# Altium PCB RFSOC_SAWG.PcbDoc (part 1 of 15) (continued)
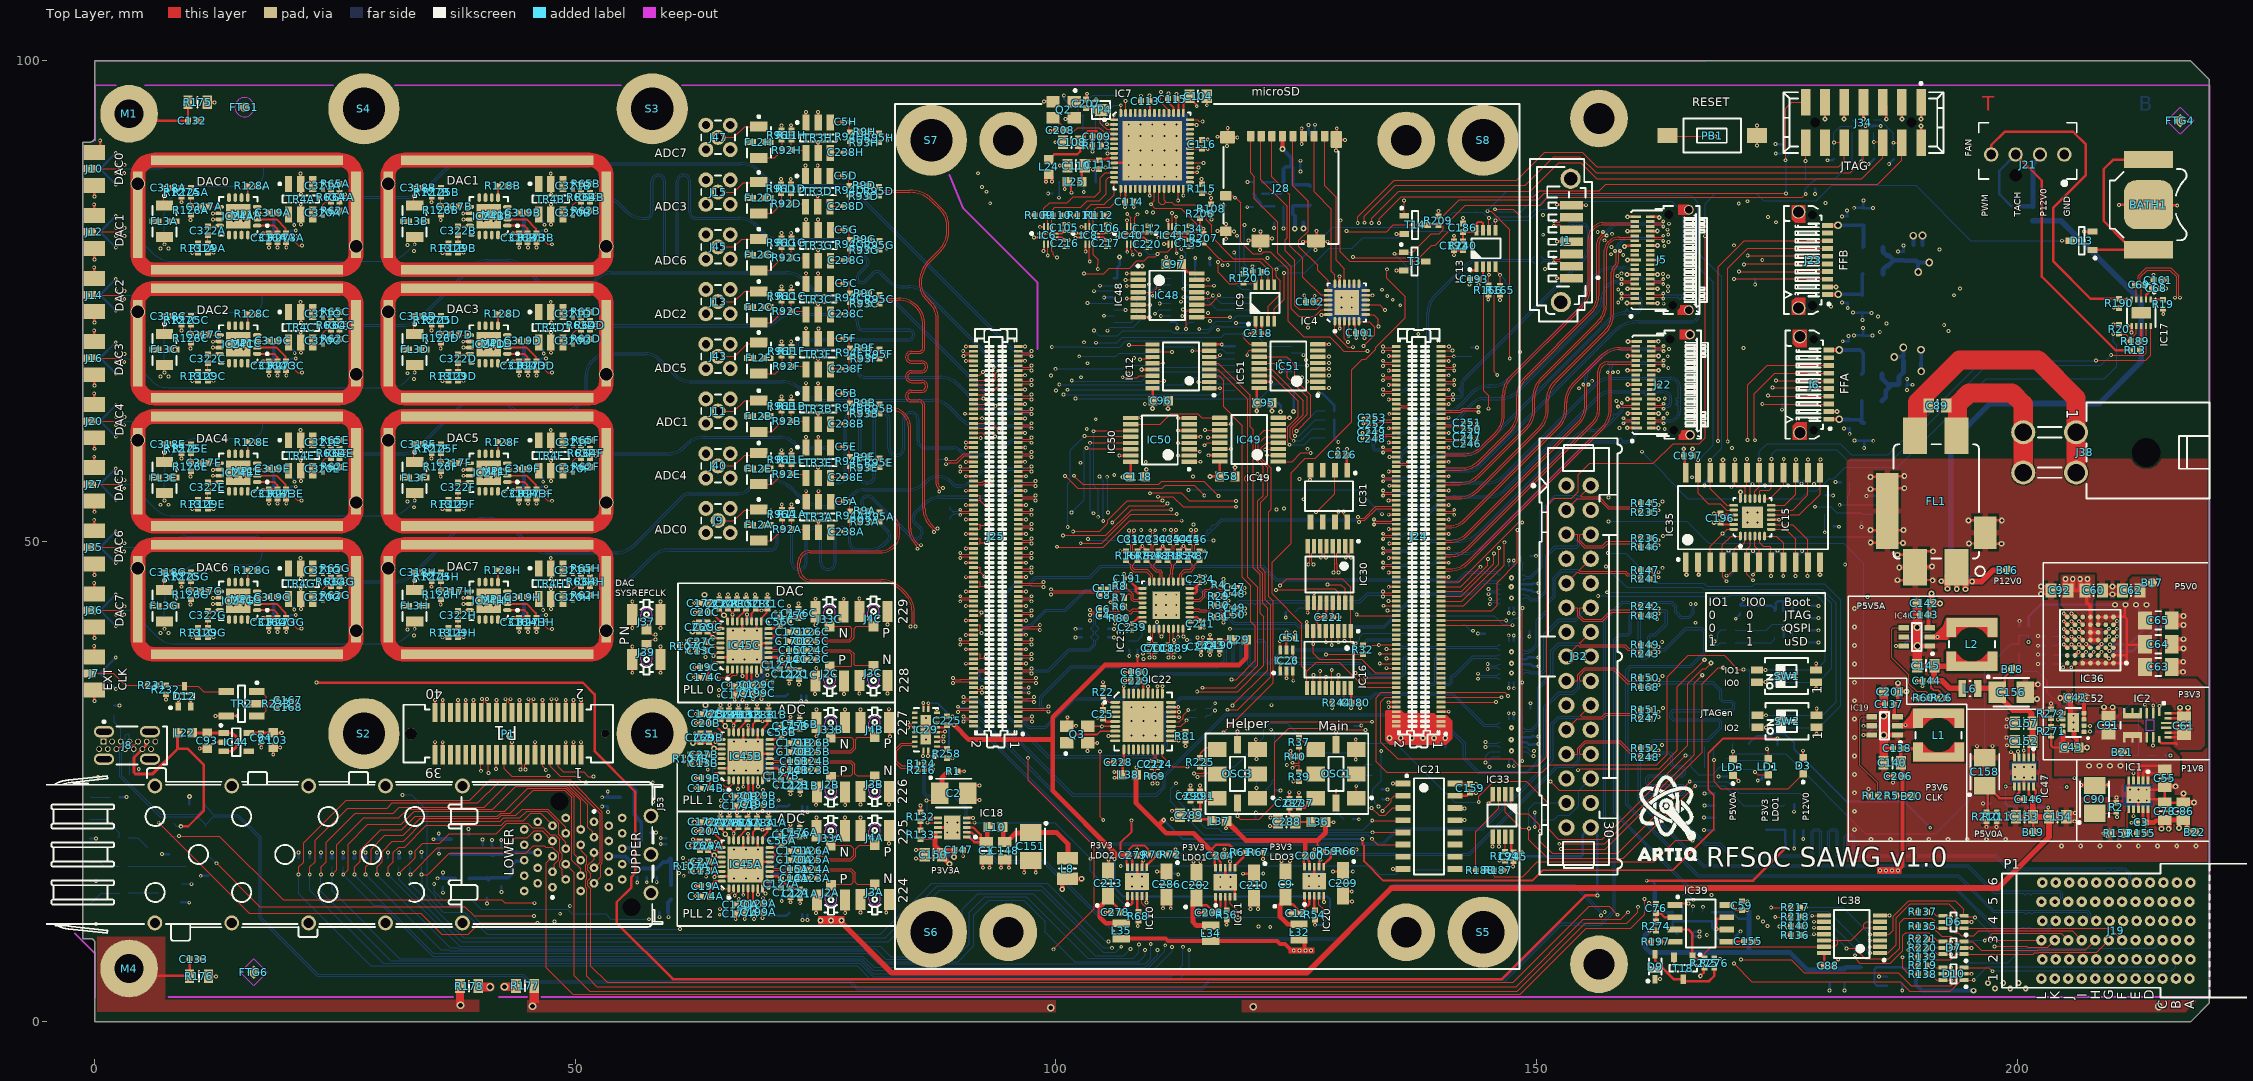
[diagram p0: Top Layer view]
## Design rules (kind name [scope] priority, off if disabled: settings) (continued)
RoutingLayers RoutingLayers_PWR [InNetClass('PWR')] p1: top layer_v5=TRUE mid layer 2_v5=TRUE mid layer 3_v5=TRUE mid layer 4_v5=TRUE mid layer 5_v5=TRUE bottom layer_v5=TRUE
RoutingLayers [All] p2: top layer_v5=TRUE mid layer 2_v5=TRUE mid layer 3_v5=FALSE mid layer 4_v5=FALSE mid layer 5_v5=TRUE bottom layer_v5=TRUE
RoutingVias [All] p1: holewidth=0.2 width=0.5 viastyle="Through Hole" minholewidth=0.15 minwidth=0.4 maxholewidth=0.711 maxwidth=1.27
SilkToSilkClearance [All] p1: silktosilkclearance=0.1
SolderMaskExpansion SolderMaskExpansion_Thermal [(isVia AND InNet('GND') and  HasFootprint('FIL_MINI-CIRCUITS_FV1206'))  or (isvia AND InNet('GND') AND (PadXSize_AllLayers = 0.55))] p1: expansion=0 istentingtop=FALSE
SolderMaskExpansion SolderMaskExpansion_via [IsVia  or IsBGA] p2: expansion=0 istentingtop=TRUE
SolderMaskExpansion [All] p3: expansion=0.015 istentingtop=FALSE
ViasUnderSMD ViasUnderSMD_Allow [(InNet('GND') and (HasFootprint('QFN*') or HasFootprint('FIL_MINI-CIRCUITS_FV1206') or HasFootprint('3670230') or HasFootprint('SON50P300X300X80-11N-R175X248') or HasFootprint('TEXAS_RKS0020A')or HasFootprint('TPS82085SILR') ) )  Or HasFootprint('9774050360') Or HasFootprint('9774100360')] p1: allowed=TRUE
ViasUnderSMD [All] p2: allowed=FALSE
Width Width_PWR [InNetClass('PWR')] p1: maxlimit=2 minlimit=0.2 preferedwidth=0.254
Width Width_SE50 [InNetClass('50 Ohms Trace')      or InNetClass('50_Ohms')] p2: maxlimit=0.14 minlimit=0.1 preferedwidth=0.14 toplayer_maxwidth=0.1 toplayer_prefwidth=0.1 midlayer2_minwidth=0.113 midlayer2_maxwidth=0.113 midlayer2_prefwidth=0.113 midlayer3_minwidth=0.14 midlayer4_minwidth=0.14 midlayer5_minwidth=0.113 midlayer5_maxwidth=0.113 midlayer5_prefwidth=0.113 bottomlayer_maxwidth=0.1 bottomlayer_prefwidth=0.1 impedanceprofiledriven=TRUE impedanceprofileid={F8AF8EEF-587B-4246-B7B2-4F5CC25CB936} impedanceprofilevalue=50.000000 minimp=50.000000 maximp=50.000000 favimp=50.000000
Width [All] p3: maxlimit=1 minlimit=0.08 preferedwidth=0.127
21 further rules are at their usual default settings.

## Classes and differential pairs
net class HW_REV[0..3]: HW_REV0 HW_REV1 HW_REV2 HW_REV3
net class MGT: B128_RX0_N B128_RX0_P B128_RX1_N B128_RX1_P B128_RX2_N B128_RX2_P B128_RX3_N B128_RX3_P B128_TX0_N B128_TX0_P B128_TX1_N B128_TX1_P B128_TX2_N B128_TX2_P B128_TX3_N B128_TX3_P B129_RX0_N B129_RX0_P B129_RX1_N B129_RX1_P B129_RX2_N B129_RX2_P B129_RX3_N B129_RX3_P B129_TX0_N B129_TX0_P B129_TX1_N B129_TX1_P B129_TX2_N B129_TX2_P B129_TX3_N B129_TX3_P B505_RX0_N B505_RX0_P B505_RX1_N B505_RX1_P B505_RX2_N B505_RX2_P B505_RX3_N B505_RX3_P B505_TX0_N B505_TX0_P B505_TX1_N B505_TX1_P B505_TX2_N B505_TX2_P B505_TX3_N B505_TX3_P SFP0_RD_N SFP0_RD_P SFP0_TD_N SFP0_TD_P SFP1_RD_N SFP1_RD_P SFP1_TD_N SFP1_TD_P
net class ESD_STRIP: STRIP1 STRIP2 STRIP3
differential pair class Diff_90Ohm: USB_D_R
component class U_AWG_mechanics: C132 C133 FTG1 FTG2 FTG3 FTG4 FTG5 FTG6 M1 M4 MH1 MH2 MH3 MH4 R175 R176 R177 R178 S1 S2 S3 S4 S5 S6 S7 S8
component class FPGA_JTAG: R58
component class Artix: T21 T22
component class U_SPI_Extender: C58 C77 C85 C95 C96 C97 C117 C118 IC12 IC32 IC34 IC43 IC48 IC49 IC50 IC51
net class RFSW_CTRL[7..0]: RFSW_CTRL0 RFSW_CTRL1 RFSW_CTRL2 RFSW_CTRL3 RFSW_CTRL4 RFSW_CTRL5 RFSW_CTRL6 RFSW_CTRL7
net class Diff_100Ohm: SATA_RX_N SATA_RX_P SATA_TX_N SATA_TX_P
component class U_RF_PLL_channel2: B14C C13C C14C C15C C16C C17C C18C C19C C20C C21C C22C C23C C24C C26C C27C C28C C29C C30C C56C C120C C121C C122C C123C C124C C125C C126C C127C C128C C129C C130C C131C C139C C170C C171C C172C C173C C174C C175C C176C C177C C199C IC45C J2C J3C J4C J33C L20C L26C L27C L28C R14C R15C R17C R18C R107C R214C
net class BP_IO.LVDS_P[0..7]: BP_IO.LVDS_P0 BP_IO.LVDS_P1 BP_IO.LVDS_P2 BP_IO.LVDS_P3 BP_IO.LVDS_P4 BP_IO.LVDS_P5 BP_IO.LVDS_P6 BP_IO.LVDS_P7
net class BP_IO.LVDS_N[0..7]: BP_IO.LVDS_N0 BP_IO.LVDS_N1 BP_IO.LVDS_N2 BP_IO.LVDS_N3 BP_IO.LVDS_N4 BP_IO.LVDS_N5 BP_IO.LVDS_N6 BP_IO.LVDS_N7
net class SHARED_BUS_[0..4]: SHARED_BUS_0 SHARED_BUS_1 SHARED_BUS_2 SHARED_BUS_3 SHARED_BUS_4
net class PE_CLK: PE_CLK.CLK_N PE_CLK.CLK_P
net class LVDS_DUAL_P[0..4]: LVDS_DUAL_P0 LVDS_DUAL_P1 LVDS_DUAL_P2 LVDS_DUAL_P3 LVDS_DUAL_P4
net class LVDS_DUAL_N[0..4]: LVDS_DUAL_N0 LVDS_DUAL_N1 LVDS_DUAL_N2 LVDS_DUAL_N3 LVDS_DUAL_N4
net class GA[0..3]: GA0 GA1 GA2 GA3
net class EEM_IO: EEM_IO.LVDS_N0 EEM_IO.LVDS_N1 EEM_IO.LVDS_N2 EEM_IO.LVDS_N3 EEM_IO.LVDS_N4 EEM_IO.LVDS_N5 EEM_IO.LVDS_N6 EEM_IO.LVDS_N7 EEM_IO.LVDS_P0 EEM_IO.LVDS_P1 EEM_IO.LVDS_P2 EEM_IO.LVDS_P3 EEM_IO.LVDS_P4 EEM_IO.LVDS_P5 EEM_IO.LVDS_P6 EEM_IO.LVDS_P7
net class EEM_IO.LVDS_P[0..7]: EEM_IO.LVDS_P0 EEM_IO.LVDS_P1 EEM_IO.LVDS_P2 EEM_IO.LVDS_P3 EEM_IO.LVDS_P4 EEM_IO.LVDS_P5 EEM_IO.LVDS_P6 EEM_IO.LVDS_P7
net class EEM_IO.LVDS_N[0..7]: EEM_IO.LVDS_N0 EEM_IO.LVDS_N1 EEM_IO.LVDS_N2 EEM_IO.LVDS_N3 EEM_IO.LVDS_N4 EEM_IO.LVDS_N5 EEM_IO.LVDS_N6 EEM_IO.LVDS_N7
net class EEM0_I2C: EEM0_I2C.SCL EEM0_I2C.SDA
net class BP_IO: BP_IO.LVDS_N0 BP_IO.LVDS_N1 BP_IO.LVDS_N2 BP_IO.LVDS_N3 BP_IO.LVDS_N4 BP_IO.LVDS_N5 BP_IO.LVDS_N6 BP_IO.LVDS_N7 BP_IO.LVDS_P0 BP_IO.LVDS_P1 BP_IO.LVDS_P2 BP_IO.LVDS_P3 BP_IO.LVDS_P4 BP_IO.LVDS_P5 BP_IO.LVDS_P6 BP_IO.LVDS_P7
component class U_SD: C39 C98 C99 C100 C101 C102 IC4 J28 Q1 R199 R200 R201 R202 R224
component class U_RF_PLL_channel1: B14B C13B C14B C15B C16B C17B C18B C19B C20B C21B C22B C23B C24B C26B C27B C28B C29B C30B C56B C120B C121B C122B C123B C124B C125B C126B C127B C128B C129B C130B C131B C139B C170B C171B C172B C173B C174B C175B C176B C177B C199B IC45B J2B J3B J4B J33B L20B L26B L27B L28B R14B R15B R17B R18B R107B R214B
component class U_RF_PLL_channel0: B14A C13A C14A C15A C16A C17A C18A C19A C20A C21A C22A C23A C24A C26A C27A C28A C29A C30A C56A C120A C121A C122A C123A C124A C125A C126A C127A C128A C129A C130A C131A C139A C170A C171A C172A C173A C174A C175A C176A C177A C199A IC45A J2A J3A J4A J33A L20A L26A L27A L28A R14A R15A R17A R18A R107A R214A
component class U_PWR_5V: B16 B17 B18 B19 B20 B21 B22 C60 C62 C63 C64 C65 C66 C67 C68 C69 C87 C89 C92 C141 C142 C143 C144 C145 C146 C152 C153 C154 C156 C157 C158 C161 C245 D3 FL1 IC17 IC33 IC36 IC46 IC47 J21 J38 L2 L3 L6 LD3 LD4 NT1 R13 R19 R20 R26 R28 R60 R121 R179 R181 R182 R183 R184 R185 R186 R187 R188 R189 R190 R194 R210 R211 R212 R213 T23
component class U_PWR_3V3: C1 C2 C36 C37 C40 C42 C43 C61 C91 C147 C148 C149 C150 C151 IC2 IC14 IC18 IC52 L8 L10 R1 R123 R132 R133 R268 R269 R270 R271 R272 R278
component class U_PWR_1V8: C3 C55 C78 C86 C90 IC1 R2 R153 R155
component class U_I2C_MUX: C186 C192 C193 C196 C197 C198 IC5 IC13 IC15 IC35 IC53 R33 R42 R43 R44 R45 R46 R49 R51 R52 R53 R55 R57 R101 R102 R103 R104 R165 R166 R167 R169 R170 R171 R172 R174 R230 R240 T21 T22 TP13 TP14
component class U_AWG_USB_Serial_Quad: C93 C94 C103 C104 C105 C106 C107 C108 C109 C110 C111 C112 C113 C114 C115 C116 C134 C135 C207 C208 C216 C217 C218 C220 D4 IC6 IC7 IC8 IC9 IC37 IC40 IC41 IC44 J8 L22 L24 L25 Q2 R99 R100 R108 R109 R110 R111 R112 R113 R114 R115 R116 R119 R120 R203 R204 R205 R206 R207 R209 T3 T14 TP4 TP5 TP6 TP16 TP17 TP18 TP19
component class U_FireFly_AB: C70 C71 C72 C73 C74 C75 C79 C80 C81 C82 C83 C84 J5 J6 J22 J23 L4 L5 L7 L12 R23 R191
component class U_DAC_Output_CH7: C314H C315H C316H C317H C318H C319H C320H C321H C322H FL3H IC24H L54H MP1H R62H R63H R64H R65H R125H R126H R127H R128H R129H R131H R273H TR4H
component class U_DAC_Output_CH6: C314G C315G C316G C317G C318G C319G C320G C321G C322G FL3G IC24G L54G MP1G R62G R63G R64G R65G R125G R126G R127G R128G R129G R131G R273G TR4G
component class U_DAC_Output_CH5: C314F C315F C316F C317F C318F C319F C320F C321F C322F FL3F IC24F L54F MP1F R62F R63F R64F R65F R125F R126F R127F R128F R129F R131F R273F TR4F
component class U_DAC_Output_CH4: C314E C315E C316E C317E C318E C319E C320E C321E C322E FL3E IC24E L54E MP1E R62E R63E R64E R65E R125E R126E R127E R128E R129E R131E R273E TR4E
component class U_DAC_Output_CH3: C314D C315D C316D C317D C318D C319D C320D C321D C322D FL3D IC24D L54D MP1D R62D R63D R64D R65D R125D R126D R127D R128D R129D R131D R273D TR4D
component class U_DAC_Output_CH2: C314C C315C C316C C317C C318C C319C C320C C321C C322C FL3C IC24C L54C MP1C R62C R63C R64C R65C R125C R126C R127C R128C R129C R131C R273C TR4C
component class U_DAC_Output_CH1: C314B C315B C316B C317B C318B C319B C320B C321B C322B FL3B IC24B L54B MP1B R62B R63B R64B R65B R125B R126B R127B R128B R129B R131B R273B TR4B
component class U_DAC_Output_CH0: C314A C315A C316A C317A C318A C319A C320A C321A C322A FL3A IC24A L54A MP1A R62A R63A R64A R65A R125A R126A R127A R128A R129A R131A R273A TR4A
component class U_CLK_MUX: C167 C168 C225 D12 IC29 R231 R232 R233 R258 TR2
component class U_B2B_2: B1 B2 B3 B4 B5 B6 B7 B8 B9 B10 B11 B12 B13 B15 C159 IC21 J25
component class U_B2B_1: BATH1 C38 C52 C54 C57 D13 J1 J24 PB1 R32 R117 R118 R122 R164 R198 R208 SW1 SW2 TP1 TP2 TP3 TP15
component class U_AWG_SFPs: C178 C179 C181 C182 C183 C184 C185 C246 C247 C248 C249 C250 C251 C252 C253 C258 C259 C260 C261 C262 C263 C264 C265 C323 J53 L30 L31 L55 L56 LD2 LD15 Plate1 R130 R134 R284 R285 R286 R287 R288 R289 R290 R291 R292 R293 R294 R295 T11 T16
component class U_AWG_EEM_Connectors_JTAG: C51 C53 C119 C180 C219 C221 C222 C223 C224 C226 D8 D11 IC3 IC16 IC25 IC26 IC27 IC28 IC30 IC31 IC42 J32 J34 R58 R143 R145 R146 R147 R148 R149 R150 R151 R152 R168 R235 R236 R241 R242 R243 R244 R247 R248 R255 R256 R259 R263 R264 R265 R266 T13
component class U_AWG_CPCIS_Connectors_P1_P6: C41 C59 C76 C88 C155 D6 D7 D9 D10 IC38 IC39 J19 R124 R135 R136 R137 R138 R139 R140 R197 R216 R217 R218 R219 R220 R221 R226 R274 R275 R276 R277 R279 R280 R281 R282 R283 T18
component class U_AWG_ClockRecovery: C4 C6 C7 C8 C9 C10 C11 C12 C25 C31 C32 C33 C34 C35 C44 C45 C46 C47 C48 C49 C50 C136 C137 C138 C140 C160 C187 C188 C189 C190 C191 C200 C201 C202 C203 C204 C206 C209 C210 C212 C213 C214 C215 C228 C229 C234 C237 C239 C241 C242 C243 C278 C279 C286 C287 C288 C289 C290 C291 IC10 IC11 IC19 IC20 IC22 IC23 L1 L29 L32 L34 L35 L36 L37 L38 LD1 OSC1 OSC3 Q3 R4 R5 R6 R7 R8 R10 R12 R16 R21 R22 R24 R25 R27 R29 R30 R31 R34 R35 R36 R37 R38 R39 R40 R41 R47 R48 R50 R54 R56 R59 R61 R66 R67 R68 R69 R70 R71 R72 R73 R74 R75 R76 R77 R78 R79 R80 R81 R82 R83 R84 R85 R86 R87 R88 R89 R90 R91 R97 R98 R225 T2 TP23 TP24 TP25 TP26 TP27 TP28 TP29 TP30
component class U_ADC_Input_CH7: C5H C238H FL2H R9H R11H R92H R93H R94H R95H R96H TR3H
component class U_ADC_Input_CH6: C5G C238G FL2G R9G R11G R92G R93G R94G R95G R96G TR3G
component class U_ADC_Input_CH5: C5F C238F FL2F R9F R11F R92F R93F R94F R95F R96F TR3F
component class U_ADC_Input_CH4: C5E C238E FL2E R9E R11E R92E R93E R94E R95E R96E TR3E
component class U_ADC_Input_CH3: C5D C238D FL2D R9D R11D R92D R93D R94D R95D R96D TR3D
component class U_ADC_Input_CH2: C5C C238C FL2C R9C R11C R92C R93C R94C R95C R96C TR3C
component class U_ADC_Input_CH1: C5B C238B FL2B R9B R11B R92B R93B R94B R95B R96B TR3B
component class U_ADC_Input_CH0: C5A C238A FL2A R9A R11A R92A R93A R94A R95A R96A TR3A
component class SATA: C38 C52 C54 C57 C246 C247 C248 C249 C250 C251 C252 C253 J1
component class RFSOC_SAWG: J7 J9 J10 J11 J12 J13 J14 J15 J16 J20 J27 J35 J36 J37 J39 J40 J43 J45 J47 JM1 LD5 LOGO1 MISC1 P1 R3 R105 R106 R141 R142 R144 R154 R215 Serial1 T5
differential pair class MGT: B129_RX2 B129_TX2 BP_MGT.Rx BP_MGT.Tx BP_MGT_Rx BP_MGT_Tx
differential pair class LVPECL: B128_CLK1 B129_CLK1 BUF_OUT0 BUF_OUT1 BUF_OUT2 BUF_OUT3 BUF_OUT4 BUF_OUT5 BUF_OUT6 BUF_OUT7 CK_FPGAIO CK_GTP CKI_FPGAIO CKI_GTP CKOUT_1 CKOUT_D_1 EXT_CLK_IN1 RFPLL_REFin0 RFPLL_REFin1 RFPLL_REFin2
differential pair class Diff_100Ohm: B129_RX0 B129_RX1 B129_TX0 B129_TX1 BP_IO.LVDS0 BP_IO.LVDS1 BP_IO.LVDS2 BP_IO.LVDS3 BP_IO.LVDS4 BP_IO.LVDS5 BP_IO.LVDS6 BP_IO.LVDS7 CKIN0 CLK1 CLK3 CLKREC EEM_IO.LVDS0 EEM_IO.LVDS1 EEM_IO.LVDS2 EEM_IO.LVDS3 EEM_IO.LVDS4 EEM_IO.LVDS5 EEM_IO.LVDS6 EEM_IO.LVDS7 EEM_IO.LVDS8 EEM_IO.LVDS9 EEM_IO.LVDS10 EEM_IO.LVDS11 EEM_IO.LVDS12 EEM_IO.LVDS13 EEM_IO.LVDS14 EEM_IO.LVDS15 Helper_DCXO LVDS_DUAL0 LVDS_DUAL1 LVDS_DUAL2 LVDS_DUAL3 LVDS_DUAL4 LVDS_JTAG_TCK LVDS_JTAG_TDI LVDS_JTAG_TDO LVDS_JTAG_TMS LVDS_JTAG_TRSTn Main_DCXO Main_DCXO_C PE_CLK PE_CLK.CLK SFP0_RD SFP0_TD SFP1_RD SFP1_TD
differential pair class "100 Ohms Trace diff": ADC0 ADC0B ADC0C ADC0D ADC0E ADC0F ADC0G ADC0H ADC_CLK_224 ADC_CLK_225 ADC_CLK_226 ADC_CLK_227 CLKIN2 CLKOUT0A CLKOUT0B CLKOUT0C CLKOUT1 CLKOUT1B DAC0 DAC0B DAC0C DAC0D DAC0E DAC0F DAC0G DAC0H DAC_CLK_228 DAC_CLK_229 EXT_CLK0
channel class RF_PLL_channel: U_RF_PLL_channel0 U_RF_PLL_channel1 U_RF_PLL_channel2
channel class DAC_Output_CH: U_DAC_Output_CH0 U_DAC_Output_CH1 U_DAC_Output_CH2 U_DAC_Output_CH3 U_DAC_Output_CH4 U_DAC_Output_CH5 U_DAC_Output_CH6 U_DAC_Output_CH7
channel class ADC_Input_CH: U_ADC_Input_CH0 U_ADC_Input_CH1 U_ADC_Input_CH2 U_ADC_Input_CH3 U_ADC_Input_CH4 U_ADC_Input_CH5 U_ADC_Input_CH6 U_ADC_Input_CH7
net class SD: SD-CCLK_LS SD-CMD_LS SD-D0_LS SD-D1_LS SD-D2_LS SD-D3_LS
net class "SD Card": SD-CCLK_LS SD-CMD_LS SD-D0_LS SD-D1_LS SD-D2_LS SD-D3_LS SD_CLK SD_CMD SD_DAT0 SD_DAT1 SD_DAT2 SD_DAT3
net class PWR: GND NetC25_2 NetC89_1 NetC89_2 NetC93_2 NetC144_2 P1V8 P1V8_USB P3V3 P3V3_ADCLK P3V3_LDO1 P3V3_LDO2 P3V3_LDO3 P3V3_SD P3V3_USB P3V3A P3V6_CLK P5V0 P5V0A P12V0 STRIP1
net class HS: B128_RX0_N B128_RX0_P B128_RX1_N B128_RX1_P B128_RX2_N B128_RX2_P B128_RX3_N B128_RX3_P B128_TX0_N B128_TX0_P B128_TX1_N B128_TX1_P B128_TX2_N B128_TX2_P B128_TX3_N B128_TX3_P B505_RX0_N B505_RX0_P B505_RX1_N B505_RX1_P B505_RX2_N B505_RX2_P B505_RX3_N B505_RX3_P B505_TX0_N B505_TX0_P B505_TX1_N B505_TX1_P B505_TX2_N B505_TX2_P B505_TX3_N B505_TX3_P
net class FF: B128_RX0_N B128_RX0_P B128_RX1_N B128_RX1_P B128_RX2_N B128_RX2_P B128_RX3_N B128_RX3_P B128_TX0_N B128_TX0_P B128_TX1_N B128_TX1_P B128_TX2_N B128_TX2_P B128_TX3_N B128_TX3_P B505_RX0_N B505_RX0_P B505_RX1_N B505_RX1_P B505_RX2_N B505_RX2_P B505_RX3_N B505_RX3_P B505_TX0_N B505_TX0_P B505_TX1_N B505_TX1_P B505_TX2_N B505_TX2_P B505_TX3_N B505_TX3_P
net class DAC: DAC0_N DAC0_P DAC0B_N DAC0B_P DAC0C_N DAC0C_P DAC0D_N DAC0D_P DAC0E_N DAC0E_P DAC0F_N DAC0F_P DAC0G_N DAC0G_P DAC0H_N DAC0H_P DAC_B0A_N DAC_B0A_P DAC_B0B_N DAC_B0B_P DAC_B0C_N DAC_B0C_P DAC_B0D_N DAC_B0D_P DAC_B0E_N DAC_B0E_P DAC_B0F_N DAC_B0F_P DAC_B0G_N DAC_B0G_P DAC_B0H_N DAC_B0H_P DAC_C0A_N DAC_C0A_P DAC_C0B_N DAC_C0B_P DAC_C0C_N DAC_C0C_P DAC_C0D_N DAC_C0D_P DAC_C0E_N DAC_C0E_P DAC_C0F_N DAC_C0F_P DAC_C0G_N DAC_C0G_P DAC_C0H_N DAC_C0H_P DAC_S0A DAC_S0B DAC_S0C DAC_S0D DAC_S0E DAC_S0F DAC_S0G DAC_S0H
net class DAC_GR1: DAC0_N DAC0_P DAC0B_N DAC0B_P DAC0C_N DAC0C_P DAC0D_N DAC0D_P DAC0E_N DAC0E_P DAC0F_N DAC0F_P DAC0G_N DAC0G_P DAC0H_N DAC0H_P
net class D100: ADC0_N ADC0_P ADC0B_N ADC0B_P ADC0C_N ADC0C_P ADC0D_N ADC0D_P ADC0E_N ADC0E_P ADC0F_N ADC0F_P ADC0G_N ADC0G_P ADC0H_N ADC0H_P ADC_CLK_224_N ADC_CLK_224_P ADC_CLK_225_N ADC_CLK_225_P ADC_CLK_226_N ADC_CLK_226_P ADC_CLK_227_N ADC_CLK_227_P DAC0_N DAC0_P DAC0B_N DAC0B_P DAC0C_N DAC0C_P DAC0D_N DAC0D_P DAC0E_N DAC0E_P DAC0F_N DAC0F_P DAC0G_N DAC0G_P DAC0H_N DAC0H_P DAC_CLK_228_N DAC_CLK_228_P DAC_CLK_229_N DAC_CLK_229_P
net class ADC: ADC0_N ADC0_P ADC0B_N ADC0B_P ADC0C_N ADC0C_P ADC0D_N ADC0D_P ADC0E_N ADC0E_P ADC0F_N ADC0F_P ADC0G_N ADC0G_P ADC0H_N ADC0H_P ADC_B0A_N ADC_B0A_P ADC_B0B_N ADC_B0B_P ADC_B0C_N ADC_B0C_P ADC_B0D_N ADC_B0D_P ADC_B0E_N ADC_B0E_P ADC_B0F_N ADC_B0F_P ADC_B0G_N ADC_B0G_P ADC_B0H_N ADC_B0H_P ADC_C0A_P ADC_C0B_P ADC_C0C_P ADC_C0D_P ADC_C0E_P ADC_C0F_P ADC_C0G_P ADC_C0H_P ADC_S0A ADC_S0B ADC_S0C ADC_S0D ADC_S0E ADC_S0F ADC_S0G ADC_S0H NetFL2A_3 NetFL2B_3 NetFL2C_3 NetFL2D_3 NetFL2E_3 NetFL2F_3 NetFL2G_3 NetFL2H_3
net class ADC_GR1: ADC0_N ADC0_P ADC0B_N ADC0B_P ADC0C_N ADC0C_P ADC0D_N ADC0D_P ADC0E_N ADC0E_P ADC0F_N ADC0F_P ADC0G_N ADC0G_P ADC0H_N ADC0H_P
net class "50 Ohms Trace": ADC0_INA ADC0_INB ADC0_INC ADC0_IND ADC0_INE ADC0_INF ADC0_ING ADC0_INH ADC_S0A ADC_S0B ADC_S0C ADC_S0D ADC_S0E ADC_S0F ADC_S0G ADC_S0H DAC_OUT0 DAC_OUT1 DAC_OUT2 DAC_OUT3 DAC_OUT4 DAC_OUT5 DAC_OUT6 DAC_OUT7 DAC_S0A DAC_S0B DAC_S0C DAC_S0D DAC_S0E DAC_S0F DAC_S0G DAC_S0H EXT_CLK5 NetC317A_2 NetC317B_2 NetC317C_2 NetC317D_2 NetC317E_2 NetC317F_2 NetC317G_2 NetC317H_2 NetC318A_1 NetC318B_1 NetC318C_1 NetC318D_1 NetC318E_1 NetC318F_1 NetC318G_1 NetC318H_1 NetJ7_1
net class 50_Ohms: DAC_S0A DAC_S0B DAC_S0C DAC_S0D DAC_S0E DAC_S0F DAC_S0G DAC_S0H NetC317A_1 NetC317B_1 NetC317C_1 NetC317D_1 NetC317E_1 NetC317F_1 NetC317G_1 NetC317H_1 NetC319A_2 NetC319B_2 NetC319C_2 NetC319D_2 NetC319E_2 NetC319F_2 NetC319G_2 NetC319H_2 NetC322A_1 NetC322A_2 NetC322B_1 NetC322B_2 NetC322C_1 NetC322C_2 NetC322D_1 NetC322D_2 NetC322E_1 NetC322E_2 NetC322F_1 NetC322F_2 NetC322G_1 NetC322G_2 NetC322H_1 NetC322H_2 VCO_OUTBA_P VCO_OUTBB_P VCO_OUTBC_P
component class Overlapping: J19
differential pair DAC_SYSREFCLK: +DAC_SYSREFCLK_P -DAC_SYSREFCLK_N
differential pair CLK3: +CLK3_P -CLK3_N
differential pair REF_INC: +REF_INC_P -REF_INC_N
differential pair REF_INB: +REF_INB_P -REF_INB_N
differential pair REF_INA: +REF_INA_P -REF_INA_N
differential pair CLK2: +CLK2_P -CLK2_N
differential pair CLK1: +CLK1_P -CLK1_N
differential pair RFPLLCLKBC: +RFPLLCLKBC_P -RFPLLCLKBC_N
differential pair RFPLLCLKBB: +RFPLLCLKBB_P -RFPLLCLKBB_N
differential pair RFPLLCLKBA: +RFPLLCLKBA_P -RFPLLCLKBA_N
differential pair RFPLLCLKAC: +RFPLLCLKAC_P -RFPLLCLKAC_N
differential pair RFPLLCLKAB: +RFPLLCLKAB_P -RFPLLCLKAB_N
differential pair RFPLLCLKAA: +RFPLLCLKAA_P -RFPLLCLKAA_N
differential pair EXT_CLK_5: +EXT_CLK_5_P -EXT_CLK_5_N
differential pair EXT_CLK5: +EXT_CLK5_P -EXT_CLK5_N
differential pair B129_TX2: +B129_TX2_P -B129_TX2_N
differential pair B129_TX1: +B129_TX1_P -B129_TX1_N
differential pair B129_TX0: +B129_TX0_P -B129_TX0_N
differential pair B129_RX2: +B129_RX2_P -B129_RX2_N
differential pair B129_RX1: +B129_RX1_P -B129_RX1_N
differential pair B129_RX0: +B129_RX0_P -B129_RX0_N
differential pair VCO_OUTBC: +VCO_OUTBC_P -VCO_OUTBC_N
differential pair VCO_OUTBB: +VCO_OUTBB_P -VCO_OUTBB_N
differential pair VCO_OUTBA: +VCO_OUTBA_P -VCO_OUTBA_N
differential pair B505_TX3: +B505_TX3_P -B505_TX3_N
differential pair B505_TX2: +B505_TX2_P -B505_TX2_N
differential pair B505_TX1: +B505_TX1_P -B505_TX1_N
differential pair B505_TX0: +B505_TX0_P -B505_TX0_N
differential pair B505_RX3: +B505_RX3_P -B505_RX3_N
differential pair B505_RX2: +B505_RX2_P -B505_RX2_N
differential pair B505_RX1: +B505_RX1_P -B505_RX1_N
differential pair B505_RX0: +B505_RX0_P -B505_RX0_N
differential pair USB_D_R: +USB_D_R_P -USB_D_R_N
differential pair VCO_OUTAC: +VCO_OUTAC_P -VCO_OUTAC_N
differential pair SATA_TX: +SATA_TX_P -SATA_TX_N
differential pair SATA_RX: +SATA_RX_P -SATA_RX_N
differential pair RFPLL_REFin2: +RFPLL_REFin2_P -RFPLL_REFin2_N
differential pair RFPLL_REFin1: +RFPLL_REFin1_P -RFPLL_REFin1_N
differential pair RFPLL_REFin0: +RFPLL_REFin0_P -RFPLL_REFin0_N
differential pair EXT_CLK_IN1: +EXT_CLK_IN1_P -EXT_CLK_IN1_N
differential pair BUF_OUT7: +BUF_OUT7_P -BUF_OUT7_N
differential pair BUF_OUT6: +BUF_OUT6_P -BUF_OUT6_N
differential pair BUF_OUT5: +BUF_OUT5_P -BUF_OUT5_N
differential pair BUF_OUT4: +BUF_OUT4_P -BUF_OUT4_N
differential pair BUF_OUT3: +BUF_OUT3_P -BUF_OUT3_N
differential pair BUF_OUT2: +BUF_OUT2_P -BUF_OUT2_N
differential pair BUF_OUT1: +BUF_OUT1_P -BUF_OUT1_N
differential pair BUF_OUT0: +BUF_OUT0_P -BUF_OUT0
differential pair DAC_CLK_228: +DAC_CLK_228_P -DAC_CLK_228_N
differential pair VCO_OUTAB: +VCO_OUTAB_P -VCO_OUTAB_N
differential pair VCO_OUTAA: +VCO_OUTAA_P -VCO_OUTAA_N
differential pair USB0_D: +USB0_D_P -USB0_D_N
differential pair SFP1_TD: +SFP1_TD_P -SFP1_TD_N
differential pair SFP1_RD: +SFP1_RD_P -SFP1_RD_N
differential pair SFP0_TD: +SFP0_TD_P -SFP0_TD_N
differential pair SFP0_RD: +SFP0_RD_P -SFP0_RD_N
differential pair PHY_MDI3: +PHY_MDI3_P -PHY_MDI3_N
differential pair PHY_MDI2: +PHY_MDI2_P -PHY_MDI2_N
differential pair PHY_MDI1: +PHY_MDI1_P -PHY_MDI1_N
differential pair PHY_MDI0: +PHY_MDI0_P -PHY_MDI0_N
differential pair PE_CLK: +PE_CLK_P -PE_CLK_N
differential pair PE_CLK.CLK: +PE_CLK.CLK_P -PE_CLK.CLK_N
differential pair Main_DCXO: +Main_DCXO_P -Main_DCXO_N
differential pair Main_DCXO_C: +Main_DCXO_C_P -Main_DCXO_C_N
differential pair LVDS_JTAG_TRSTn: +LVDS_JTAG_TRSTn_P -LVDS_JTAG_TRSTn_N
differential pair LVDS_JTAG_TMS: +LVDS_JTAG_TMS_P -LVDS_JTAG_TMS_N
differential pair LVDS_JTAG_TDO: +LVDS_JTAG_TDO_P -LVDS_JTAG_TDO_N
differential pair LVDS_JTAG_TDI: +LVDS_JTAG_TDI_P -LVDS_JTAG_TDI_N
differential pair LVDS_JTAG_TCK: +LVDS_JTAG_TCK_P -LVDS_JTAG_TCK_N
differential pair LVDS_DUAL4: +LVDS_DUAL_P4 -LVDS_DUAL_N4
differential pair LVDS_DUAL3: +LVDS_DUAL_P3 -LVDS_DUAL_N3
differential pair LVDS_DUAL2: +LVDS_DUAL_P2 -LVDS_DUAL_N2
differential pair LVDS_DUAL1: +LVDS_DUAL_P1 -LVDS_DUAL_N1
differential pair LVDS_DUAL0: +LVDS_DUAL_P0 -LVDS_DUAL_N0
differential pair EEM_IO.LVDS7: +EEM_IO.LVDS_P7 -EEM_IO.LVDS_N7
differential pair EEM_IO.LVDS6: +EEM_IO.LVDS_P6 -EEM_IO.LVDS_N6
differential pair EEM_IO.LVDS5: +EEM_IO.LVDS_P5 -EEM_IO.LVDS_N5
differential pair EEM_IO.LVDS4: +EEM_IO.LVDS_P4 -EEM_IO.LVDS_N4
differential pair EEM_IO.LVDS3: +EEM_IO.LVDS_P3 -EEM_IO.LVDS_N3
differential pair EEM_IO.LVDS2: +EEM_IO.LVDS_P2 -EEM_IO.LVDS_N2
differential pair EEM_IO.LVDS1: +EEM_IO.LVDS_P1 -EEM_IO.LVDS_N1
differential pair EEM_IO.LVDS0: +EEM_IO.LVDS_P0 -EEM_IO.LVDS_N0
differential pair DX: +DX_P -DX_N
differential pair DAC_CLK_229: +DAC_CLK_229_P -DAC_CLK_229_N
differential pair DAC0: +DAC0_P -DAC0_N
differential pair DAC0H: +DAC0H_P -DAC0H_N
differential pair DAC0G: +DAC0G_P -DAC0G_N
differential pair DAC0F: +DAC0F_P -DAC0F_N
differential pair DAC0E: +DAC0E_P -DAC0E_N
differential pair DAC0D: +DAC0D_P -DAC0D_N
differential pair DAC0C: +DAC0C_P -DAC0C_N
differential pair DAC0B: +DAC0B_P -DAC0B_N
differential pair CLKF: +CLKF_P -CLKF_N
differential pair CLKE: +CLKE_P -CLKE_N
differential pair CLKD: +CLKD_P -CLKD_N
differential pair CLK0A_100MHz: +CLK0A_100MHz_P -CLK0A_100MHz_N
differential pair CKOUT_D_1: +CKOUT_D_1_P -CKOUT_D_1_N
differential pair CKOUT_1: +CKOUT_1_P -CKOUT_1_N
differential pair CKIN0: +CKIN0_P -CKIN0_N
differential pair CK_GTP: +CK_GTP_P -CK_GTP_N
differential pair CK_FPGAIO: +CK_FPGAIO_P -CK_FPGAIO_N
differential pair BP_IO.LVDS7: +BP_IO.LVDS_P7 -BP_IO.LVDS_N7
differential pair BP_IO.LVDS6: +BP_IO.LVDS_P6 -BP_IO.LVDS_N6
differential pair BP_IO.LVDS5: +BP_IO.LVDS_P5 -BP_IO.LVDS_N5
differential pair BP_IO.LVDS4: +BP_IO.LVDS_P4 -BP_IO.LVDS_N4
differential pair BP_IO.LVDS3: +BP_IO.LVDS_P3 -BP_IO.LVDS_N3
differential pair BP_IO.LVDS2: +BP_IO.LVDS_P2 -BP_IO.LVDS_N2
differential pair BP_IO.LVDS1: +BP_IO.LVDS_P1 -BP_IO.LVDS_N1
differential pair BP_IO.LVDS0: +BP_IO.LVDS_P0 -BP_IO.LVDS_N0
differential pair B129_TX3: +B129_TX3_P -B129_TX3_N
differential pair B129_RX3: +B129_RX3_P -B129_RX3_N
differential pair B129_CLK1: +B129_CLK1_P -B129_CLK1_N
differential pair B128_TX3: +B128_TX3_P -B128_TX3_N
differential pair B128_TX2: +B128_TX2_P -B128_TX2_N
differential pair B128_TX1: +B128_TX1_P -B128_TX1_N
differential pair B128_TX0: +B128_TX0_P -B128_TX0_N
differential pair B128_RX3: +B128_RX3_P -B128_RX3_N
differential pair B128_RX2: +B128_RX2_P -B128_RX2_N
differential pair B128_RX1: +B128_RX1_P -B128_RX1_N
differential pair B128_RX0: +B128_RX0_P -B128_RX0_N
differential pair B128_CLK1: +B128_CLK1_P -B128_CLK1_N
differential pair ADC_CLK_227: +ADC_CLK_227_P -ADC_CLK_227_N
differential pair ADC_CLK_226: +ADC_CLK_226_P -ADC_CLK_226_N
differential pair ADC_CLK_225: +ADC_CLK_225_P -ADC_CLK_225_N
differential pair ADC_CLK_224: +ADC_CLK_224_P -ADC_CLK_224_N
differential pair ADC0: +ADC0_P -ADC0_N
differential pair ADC0H: +ADC0H_P -ADC0H_N
differential pair ADC0G: +ADC0G_P -ADC0G_N
differential pair ADC0F: +ADC0F_P -ADC0F_N
differential pair ADC0E: +ADC0E_P -ADC0E_N
differential pair ADC0D: +ADC0D_P -ADC0D_N
differential pair ADC0C: +ADC0C_P -ADC0C_N
differential pair ADC0B: +ADC0B_P -ADC0B_N

## Components (designator, comment, footprint, x,y, rotation, side; value= is the part's Value field where it differs from the comment)
B1 "SMD Pad" C100 93.45,38.025 r90 bottom
B2 "SMD Pad" C100 93.45,40.254 r90 bottom
B3 "SMD Pad" C100 93.45,42.482 r90 bottom
B4 "SMD Pad" C100 93.45,44.711 r90 bottom
B5 "SMD Pad" C100 93.45,46.939 r90 bottom
B6 "SMD Pad" C100 93.45,49.168 r90 bottom
B7 "SMD Pad" C100 89.025,52.275 r90 bottom
B8 "SMD Pad" C100 89.025,53.6 r90 bottom
B9 "SMD Pad" C100 93.45,53.625 r90 bottom
B10 "SMD Pad" C100 94.225,56.125 r0 bottom
B11 "SMD Pad" C100 92.475,56.2 r180 bottom
B12 "SMD Pad" C100 89.456,58.411 r90 bottom
B13 "SMD Pad" C100 87.65,58.411 r90 bottom
B14A "SMD Pad" C100 64.263,14.381 r90 bottom (schematic designator B14)
B14B "SMD Pad" C100 64.302,25.485 r90 bottom (schematic designator B14)
B14C "SMD Pad" C100 64.134,37.155 r90 bottom (schematic designator B14)
B15 "SMD Pad" C100 93.45,51.396 r90 bottom
B16 "SMD Pad" C100 199,47 r180 top
B17 "SMD Pad" C100 214.05,45.7 r180 top
B18 "SMD Pad" C100 199.525,36.7 r180 top
B19 "SMD Pad" C100 201.675,19.75 r180 top
B20 "SMD Pad" C100 189.025,23.5 r180 top
B21 "SMD Pad" C100 210.925,28.05 r180 top
B22 "SMD Pad" C100 218.475,19.75 r180 top
BATH1 "Value" BATH_KEYSTONE_2998 213.675,85.025 r270 top
C1 "22uF" CAPC2012X135N 92.75,17.8 r270 top
C2 "22uF" CAPMP3528X210N 89.375,23.8 r0 top
C3 "100nF" CAPC1005X55N 212.925,20.75 r0 top
C4 "100nF" CAPC0603X33N 104.948,42.255 r180 top
C5A "100nF" CAPC0603X33N 78.191,54.185 r0 top (schematic designator C5)
C5B "100nF" CAPC0603X33N 78.165,65.423 r0 top (schematic designator C5)
C5C "100nF" CAPC0603X33N 78.165,76.853 r0 top (schematic designator C5)
C5D "100nF" CAPC0603X33N 78.116,88.059 r0 top (schematic designator C5)
C5E "100nF" CAPC0603X33N 78.165,59.835 r0 top (schematic designator C5)
C5F "100nF" CAPC0603X33N 78.165,71.138 r0 top (schematic designator C5)
C5G "100nF" CAPC0603X33N 78.165,82.441 r0 top (schematic designator C5)
C5H "100nF" CAPC0603X33N 78.154,93.636 r0 top (schematic designator C5)
C6 "100nF" CAPC0603X33N 104.948,42.955 r180 top
C7 "100nF" CAPC0603X33N 109.625,38.9 r90 top
C8 "100nF" CAPC0603X33N 104.954,44.41 r180 top
C9 "22uF" CAPMP3216X180N 123.9,14.3 r90 top
C10 "100nF" CAPC0603X33N 110.35,38.9 r90 top
C11 "100nF" CAPC0603X33N 104.954,45.11 r180 top
C12 "4.7uF" CAPC1005X55N 125,11.3 r0 top
C13A "1nF" CAPC1005X55N 63.45,15.744 r0 top (schematic designator C13)
C13B "1nF" CAPC1005X55N 63.357,26.894 r0 top (schematic designator C13)
C13C "1nF" CAPC1005X55N 63.122,38.618 r0 top (schematic designator C13)
C14A "1nF" CAPC1005X55N 72.8,14.944 r0 top (schematic designator C14)
C14B "1nF" CAPC1005X55N 72.8,26.185 r0 top (schematic designator C14)
C14C "1nF" CAPC1005X55N 72.672,37.718 r0 top (schematic designator C14)
C15A "1nF" CAPC1005X55N 72.8,15.869 r0 top (schematic designator C15)
C15B "1nF" CAPC1005X55N 72.8,27.11 r0 top (schematic designator C15)
C15C "1nF" CAPC1005X55N 72.672,38.643 r0 top (schematic designator C15)
C16A "560pF" CAPC1005X55N 70.337,16.214 r180 bottom (schematic designator C16)
C16B "560pF" CAPC1005X55N 70.337,27.429 r180 bottom (schematic designator C16)
C16C "560pF" CAPC1005X55N 70.207,39.016 r180 bottom (schematic designator C16)
C17A "7.5nF" CAPC1608X87N 72.109,15.417 r90 bottom (schematic designator C17)
C17B "7.5nF" CAPC1608X87N 72.147,26.563 r90 bottom (schematic designator C17)
C17C "7.5nF" CAPC1608X87N 72.045,38.137 r90 bottom (schematic designator C17)
C18A "240pF" CAPC1005X55N 70.95,18.869 r270 bottom (schematic designator C18)
C18B "240pF" CAPC1005X55N 70.95,30.11 r270 bottom (schematic designator C18)
C18C "240pF" CAPC1005X55N 70.822,41.643 r270 bottom (schematic designator C18)
C19A "100nF" CAPC1005X55N 63.55,14.119 r0 top (schematic designator C19)
C19B "100nF" CAPC1005X55N 63.55,25.36 r0 top (schematic designator C19)
C19C "100nF" CAPC1005X55N 63.422,36.893 r0 top (schematic designator C19)
C20A "100nF" CAPC1005X55N 63.575,19.844 r0 top (schematic designator C20)
C20B "100nF" CAPC1005X55N 63.575,31.085 r0 top (schematic designator C20)
C20C "100nF" CAPC1005X55N 63.447,42.618 r0 top (schematic designator C20)
C21A "10pF" CAPC1005X55N 65.1,20.709 r270 top (schematic designator C21)
C21B "10pF" CAPC1005X55N 65.1,31.95 r270 top (schematic designator C21)
C21C "10pF" CAPC1005X55N 64.972,43.483 r270 top (schematic designator C21)
C22A "10nF" CAPC1005X55N 66.017,20.701 r270 bottom (schematic designator C22)
C22B "10nF" CAPC1005X55N 66.017,31.942 r270 bottom (schematic designator C22)
C22C "10nF" CAPC1005X55N 65.889,43.475 r270 bottom (schematic designator C22)
C23A "10pF" CAPC1005X55N 66.963,20.71 r270 top (schematic designator C23)
C23B "10pF" CAPC1005X55N 66.963,31.951 r270 top (schematic designator C23)
C23C "10pF" CAPC1005X55N 66.835,43.484 r270 top (schematic designator C23)
C24A "1nF" CAPC1005X55N 66,20.709 r270 top (schematic designator C24)
C24B "1nF" CAPC1005X55N 66,31.95 r270 top (schematic designator C24)
C24C "1nF" CAPC1005X55N 65.872,43.483 r270 top (schematic designator C24)
C25 "100nF" CAPC1005X55N 104.9,32 r270 top
C26A "100nF" CAPC1005X55N 62.95,18.309 r270 top (schematic designator C26)
C26B "100nF" CAPC1005X55N 63,29.55 r270 top (schematic designator C26)
C26C "100nF" CAPC1005X55N 62.872,41.083 r270 top (schematic designator C26)
C27A "1nF" CAPC1005X55N 63.45,16.669 r0 top (schematic designator C27)
C27B "1nF" CAPC1005X55N 63.357,27.819 r0 top (schematic designator C27)
C27C "1nF" CAPC1005X55N 63.122,39.543 r0 top (schematic designator C27)
C28A "1uF" CAPC1005X55N 63.65,16.225 r90 bottom (schematic designator C28)
C28B "1uF" CAPC1005X55N 63.775,27.35 r90 bottom (schematic designator C28)
C28C "1uF" CAPC1005X55N 63.525,39.05 r90 bottom (schematic designator C28)
C29A "10pF" CAPC1005X55N 63.825,18.309 r270 top (schematic designator C29)
C29B "10pF" CAPC1005X55N 63.9,29.55 r270 top (schematic designator C29)
C29C "10pF" CAPC1005X55N 63.772,41.083 r270 top (schematic designator C29)
C30A "1uF" CAPC1005X55N 70.1,20.709 r270 bottom (schematic designator C30)
C30B "1uF" CAPC1005X55N 70.1,31.95 r270 bottom (schematic designator C30)
C30C "1uF" CAPC1005X55N 69.972,43.483 r270 bottom (schematic designator C30)
C31 "100nF" CAPC0603X33N 107.525,50.2 r90 top
C32 "100nF" CAPC0603X33N 108.2,50.2 r90 top
C33 "100nF" CAPC0603X33N 109.725,50.2 r90 top
C34 "100nF" CAPC0603X33N 110.425,50.2 r90 top
C35 "100nF" CAPC0603X33N 111.875,50.2 r90 top
C36 "1uF" CAPC1608X87N 182.05,4.8 r90 bottom
C37 "22uF" CAPC1608X90N 180.5,4.75 r90 bottom
C38 "100nF" CAPC0603X33N 152.849,82.724 r0 bottom
C39 "1nF" CAPC1005X55N 121,86.175 r0 bottom
C40 "1uF" CAPC1608X87N 188.175,4.75 r90 bottom
C41 "22uF" CAPC1608X90N 165.425,9.15 r180 bottom
C42 "10uF" CAPC1608X80N 206.1,33.725 r180 top
C43 "10uF" CAPC1608X80N 205.675,28.55 r0 top
C44 "100nF" CAPC0603X33N 112.6,50.2 r90 top
C45 "100nF" CAPC0603X33N 113.95,50.2 r90 top
C46 "100nF" CAPC0603X33N 114.675,50.2 r90 top
C47 "100nF" CAPC0603X33N 118.608,45.248 r0 top
C48 "100nF" CAPC0603X33N 118.608,44.548 r0 top
C49 "100nF" CAPC0603X33N 118.625,43.105 r0 top
C50 "100nF" CAPC0603X33N 118.625,42.38 r0 top
C51 "100nF" CAPC1005X55N 124.4,39.946 r180 top
C52 "100nF" CAPC0603X33N 152.849,83.423 r0 bottom
C53 "100nF" CAPC1005X55N 175.925,90.35 r0 bottom
C54 "100nF" CAPC0603X33N 150.15,79.612 r180 bottom
C55 "22uF" CAPC2012X135N 215.383,25.34 r270 top
C56A "10pF" CAPC1005X55N 71.45,18.869 r270 top (schematic designator C56)
C56B "10pF" CAPC1005X55N 71.45,30.11 r270 top (schematic designator C56)
C56C "10pF" CAPC1005X55N 71.322,41.643 r270 top (schematic designator C56)
C57 "100nF" CAPC0603X33N 150.15,78.918 r180 bottom
C58 "1uF" CAPC1608X87N 117.825,56.75 r180 top
C59 "100nF" CAPC1005X55N 171.375,12.1 r270 top
C60 "22uF" CAPC2012X145N 207.975,44.9 r180 top
C61 "22uF" CAPC2012X145N 217.367,30.829 r270 top